# Altium PCB choco_keyboard_left.PcbDoc (part 1 of 2)
Units mm, origin at the board's own origin, x right, y up, seen from the top; angles counter-clockwise.
Board outline 148.18 x 100.99 mm, 2 copper layers (Top Layer, Bottom Layer), stack 1.071 mm thick; 108 components, 93 nets, 495 pads, 582 vias.
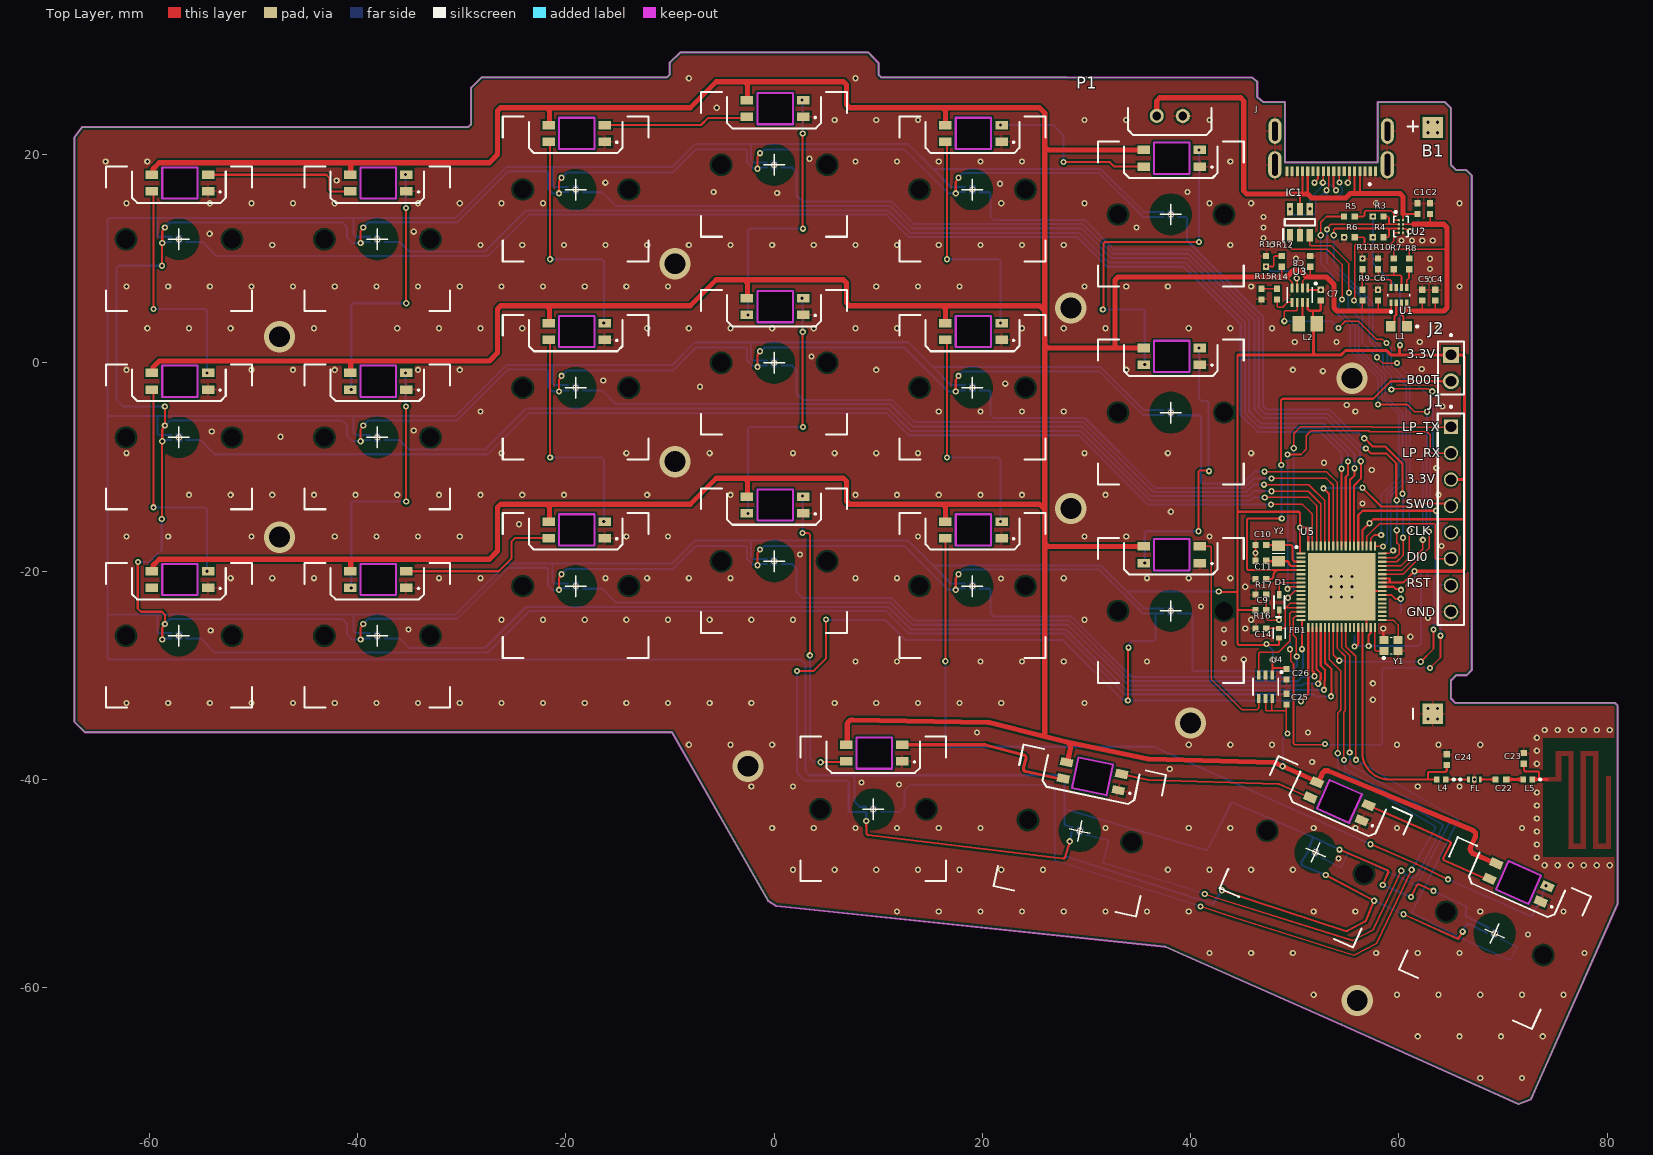
[diagram p0: Top Layer view]
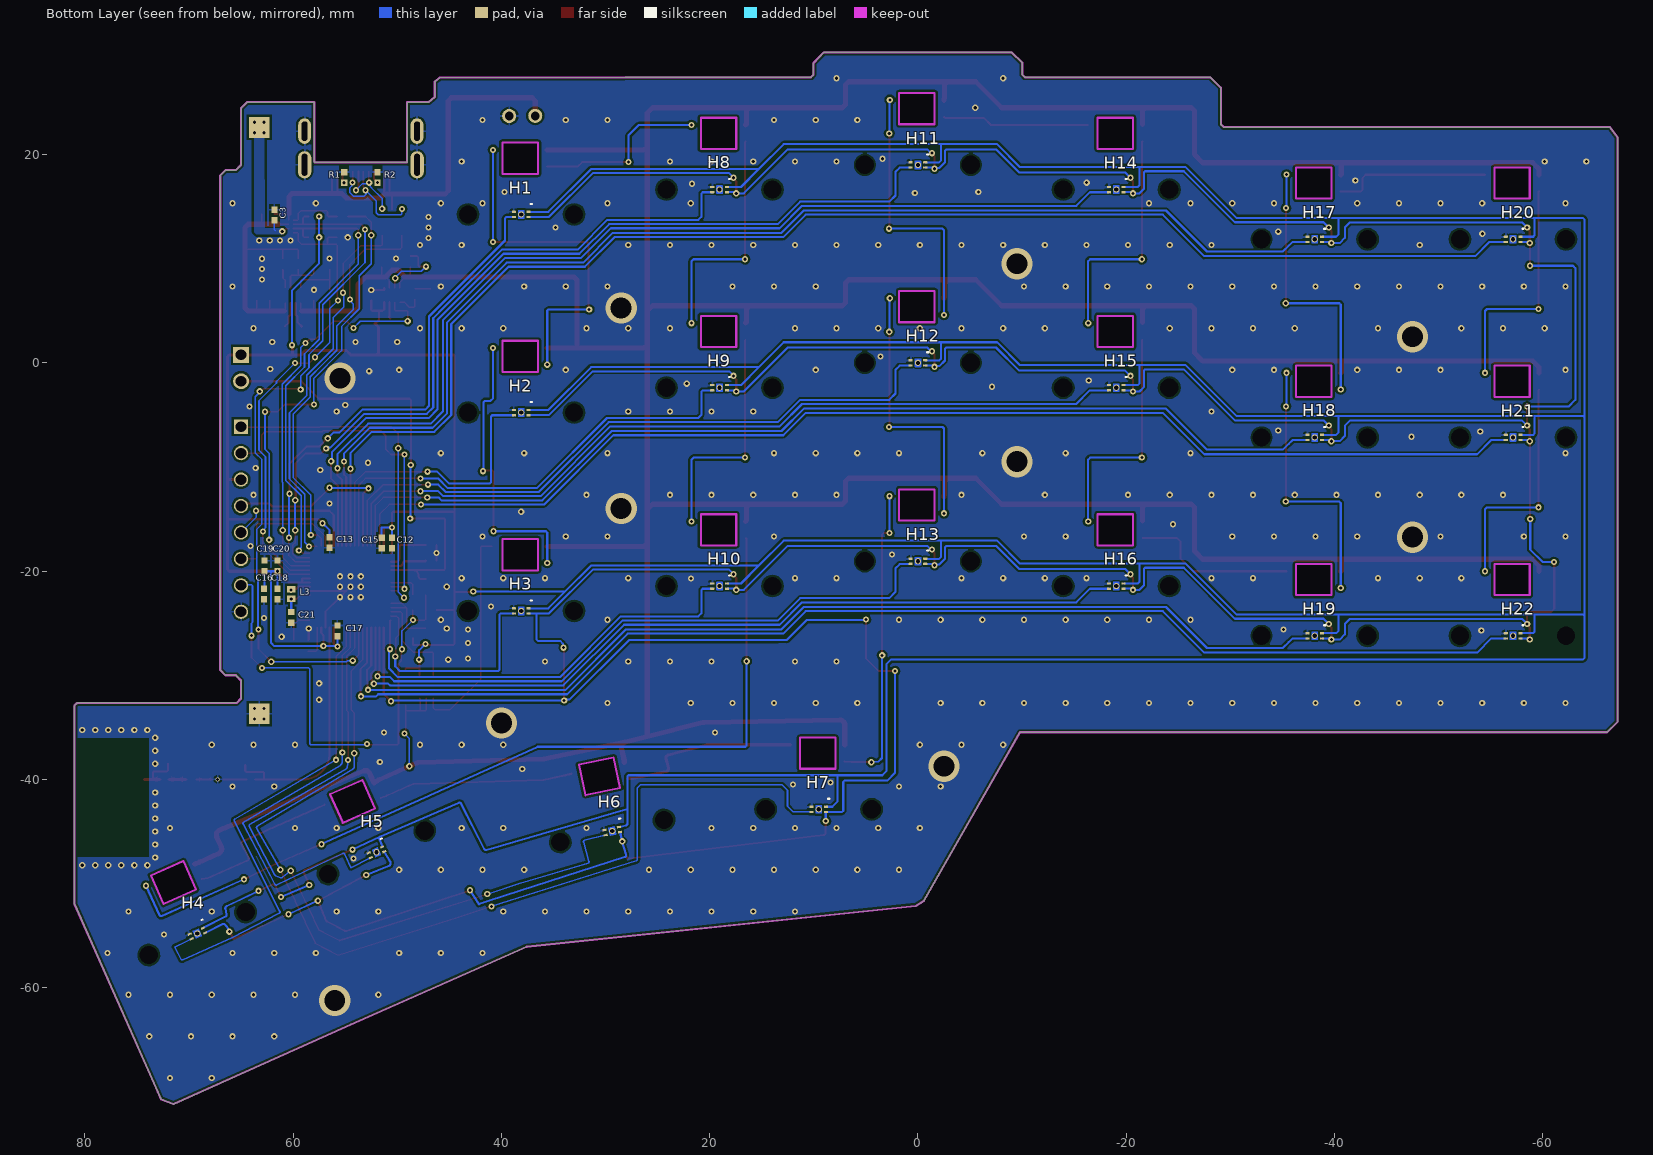
[diagram p1: Bottom Layer view, seen from below]

## Layer stack, top to bottom
Top Solder: solder mask 0.0102, Solder Resist, Dk 3.5
Top Layer: signal copper 0.0356
Dielectric 1: dielectric 1, FR-4, Dk 4.8
Bottom Layer: signal copper 0.0356
Bottom Solder: solder mask 0.0102, Solder Resist, Dk 3.5

## Board outline
-66.167,-35.471 -9.804,-35.471 -0.559,-51.676 0.203,-52.158 37.567,-56.07 54.458,-63.538 71.496,-71.183 72.676,-70.729 73,-70 80.977,-51.99 81,-52 81,-32.91 80.75,-32.66 65.424,-32.66 65,-32.236 65,-30.5 65.5,-30 66.5,-30 67,-29.5 67,18 66.5,18.5 65.5,18.5 65,19 65,24.462 64.43,25.032 57.95,25.032 57.95,19.241 49.05,19.241 49.05,25.032 47,25.032 46.4,25.532 46.4,27 45.9,27.4 28.092,27.42 10.28,27.42 10.033,27.667 10.033,28.791 9.042,29.807 -9.017,29.807 -10.033,28.817 -10.033,27.667 -10.28,27.42 -28.067,27.42 -29.083,26.429 -29.083,22.917 -29.355,22.645 -66.446,22.645 -67.183,21.679 -67.183,-34.48

## Design rules (kind name [scope] priority, off if disabled: settings)
Clearance [All] p1: gap=0.2 ignorepadtopadclearanceinfootprint=TRUE
ComponentClearance [All] p1: gap=0.2 collisioncheckmode=3 verticalgap=0.2 showdistances=FALSE
MinimumSolderMaskSliver [All] p1: minsoldermaskwidth=0.15
PolygonConnect [All] p1: thpad.connectstyle=Relief thpad.reliefconductorwidth=0.2 thpad.reliefentries=4 thpad.polygonreliefangle="90 Angle" thpad.airgapwidth=0.2 smdpad.connectstyle=Relief smdpad.reliefconductorwidth=0.2 smdpad.reliefentries=4 smdpad.polygonreliefangle="90 Angle" smdpad.airgapwidth=0.2 via.connectstyle=Direct via.reliefconductorwidth=0.2 via.reliefentries=4 via.polygonreliefangle="45 Angle" via.airgapwidth=0.2
RoutingVias [All] p1: holewidth=0.711 width=1.27 viastyle="Through Hole" minholewidth=0.3 minwidth=0.6 maxholewidth=0.711 maxwidth=1.27
SilkToSilkClearance [All] p1: silktosilkclearance=0.15
SilkToSolderMaskClearance [IsPad] p1: minsilkscreentomaskgap=0.15 clearancetoexposedcopper=TRUE
SolderMaskExpansion [All] p1: expansion=0.102 istentingtop=FALSE
SupplyNets "Schematic Supply Nets_5" [InNet('5V')] p1: voltage=0.000
SupplyNets "Schematic Supply Nets_4" [InNet('VCC_BAT')] p2: voltage=0.000
SupplyNets "Schematic Supply Nets_3" [InNet('5V_USB')] p3: voltage=0.000
SupplyNets "Schematic Supply Nets_2" [InNet('GND')] p4: voltage=0.000
SupplyNets "Schematic Supply Nets_1" [InNet('3.3V')] p5: voltage=0.000
SupplyNets "Schematic Supply Nets" [InNet('VCC_SYS')] p6: voltage=0.000
Width [All] p1: maxlimit=0.5 minlimit=0.15 preferedwidth=0.2
26 further rules are at their usual default settings.

## Classes and differential pairs
component class mcu: C9 C10 C11 C12 C13 C14 C15 C16 C17 C18 C19 C20 C21 C22 C23 C24 C25 C26 D1 FB1 FL J1 J2 L3 L4 L5 R16 R17 U4 U5 Y1 Y2
component class hall_sensors: H1 H2 H3 H4 H5 H6 H7 H8 H9 H10 H11 H12 H13 H14 H15 H16 H17 H18 H19 H20 H21 H22
component class led: SW1 SW2 SW3 SW4 SW5 SW6 SW7 SW8 SW9 SW10 SW11 SW12 SW13 SW14 SW15 SW16 SW17 SW18 SW19 SW20 SW21 SW22
component class power_supply: * B1 C1 C2 C3 C4 C5 C6 C7 C8 IC1 J L1 L2 P1 R1 R2 R3 R4 R5 R6 R7 R8 R9 R10 R11 R12 R13 R14 R15 U1 U2 U3

## Components (designator, comment, footprint, x,y, rotation, side; value= is the part's Value field where it differs from the comment)
B1 "Battery_holder" "BATTERY CONNECTION" 70.75,-5.3 r0 top locked
C1 "1uF" CAP_0402 61.8,14.812 r270 top
C2 "10uF" CAP_0402 63,14.812 r270 top
C3 "1uF" CAP_0402 61.8,14.2 r270 bottom
C4 "22uF" CAP_0402 63.5,6.5 r90 top
C5 "22uF" CAP_0402 62.25,6.5 r90 top
C6 "22uF" CAP_0402 58,6.5 r90 top
C7 "10uF" CAP_0402 52.5,6.5 r270 top
C8 "4.7uF" CAP_0402 51.5,9.75 r270 top
C9 "100nF" CAP_0402 46.75,-22.25 r180 top
C10 "10pF" CAP_0402 46.75,-17.5 r0 top
C11 "10pF" CAP_0402 46.75,-19 r0 top
C12 "100nF" CAP_0402 50.5,-17.3 r90 bottom
C13 "100nF" CAP_0402 56.5,-17.25 r90 bottom
C14 "100nF" CAP_0402 46.75,-25.5 r0 top
C15 "100nF" CAP_0402 51.5,-17.3 r90 bottom
C16 "100nF" CAP_0402 62.8,-22.2 r90 bottom
C17 "100nF" CAP_0402 55.75,-25.738 r270 bottom
C18 "100pF" CAP_0402 61.5,-22.2 r90 bottom
C19 "4.7uF" CAP_0402 62.75,-19.5 r270 bottom
C20 "100nF" CAP_0402 61.5,-19.5 r270 bottom
C21 "4.7uF" CAP_0402 60.18,-24.45 r90 bottom
C22 "10nF" CAP_0402 69.8,-40 r0 top
C23 "1.2pF" CAP_0402 72,-37.988 r90 top
C24 "0.8pF" CAP_0402 64.6,-38.1 r270 top
C25 "100nF" CAP_0402 49.2,-32.3 r270 top
C26 "100nF" CAP_0402 49.2,-29.9 r270 top
D1 "0.3A" SODFL1608X70N 48.5,-23 r90 top
FB1 "120Ohm" BEADC1005X50N 48.5,-25.955 r90 top
FL "LFB182G45CGFD436" FIL_LFB182G45CGFD436 67.245,-40 r0 top
H1 "TMAG5253" IC_TMAG5253BA3IQDMRR 38.1,14.249 r270 bottom
H2 "TMAG5253" IC_TMAG5253BA3IQDMRR 38.1,-4.775 r270 bottom
H3 "TMAG5253" IC_TMAG5253BA3IQDMRR 38.1,-23.825 r270 bottom
H4 "TMAG5253" IC_TMAG5253BA3IQDMRR 69.2,-54.8 r246 bottom
H5 "TMAG5253" IC_TMAG5253BA3IQDMRR 52,-47 r246 bottom
H6 "TMAG5253" IC_TMAG5253BA3IQDMRR 29.354,-44.96 r258 bottom
H7 "TMAG5253" IC_TMAG5253BA3IQDMRR 9.525,-42.875 r270 bottom
H8 "TMAG5253" IC_TMAG5253BA3IQDMRR 19.05,16.637 r270 bottom
H9 "TMAG5253" IC_TMAG5253BA3IQDMRR 19.05,-2.388 r270 bottom
H10 "TMAG5253" IC_TMAG5253BA3IQDMRR 19.05,-21.438 r270 bottom
H11 "TMAG5253" IC_TMAG5253BA3IQDMRR 0,19 r270 bottom
H12 "TMAG5253" IC_TMAG5253BA3IQDMRR 0,0 r270 bottom
H13 "TMAG5253" IC_TMAG5253BA3IQDMRR 0,-19.05 r270 bottom
H14 "TMAG5253" IC_TMAG5253BA3IQDMRR -19.05,16.637 r270 bottom
H15 "TMAG5253" IC_TMAG5253BA3IQDMRR -19.05,-2.388 r270 bottom
H16 "TMAG5253" IC_TMAG5253BA3IQDMRR -19.05,-21.438 r270 bottom
H17 "TMAG5253" IC_TMAG5253BA3IQDMRR -38.1,11.862 r270 bottom
H18 "TMAG5253" IC_TMAG5253BA3IQDMRR -38.1,-7.163 r270 bottom
H19 "TMAG5253" IC_TMAG5253BA3IQDMRR -38.1,-26.213 r270 bottom
H20 "TMAG5253" IC_TMAG5253BA3IQDMRR -57.15,11.862 r270 bottom
H21 "TMAG5253" IC_TMAG5253BA3IQDMRR -57.15,-7.163 r270 bottom
H22 "TMAG5253" IC_TMAG5253BA3IQDMRR -57.15,-26.213 r270 bottom
IC1 "USBLC6-2SC6" SOT95P280X145-6N 50.5,13.5 r90 top
J "CX90M-16P" HRS_CX90M-16P 53.5,22.25 r180 top locked
J1 "TSW-108-X-X-S" SAMTEC_TSW-108-X-X-S 65,-15.02 r90 top
J2 "HTSW-102-07-TM-S" SAMTEC_HTSW-102-07-TM-S 65,-0.5 r90 top
L1 "1uH" INDC1608X100N 60,3.5 r180 top
L2 "2.2uH" INDC2012X100N 51.25,3.75 r0 top
L3 "10uH" INDC1106X70N 60.18,-22.2 r90 bottom
L4 "2.7nH" INDC1005X55N 64.068,-40 r0 top
L5 "3.6nH" INDC1005X55N 72.368,-40 r0 top
P1 "Pogo_pinsX2" POGO_2_PINS_AMGLED 38,23.361 r0 top locked
R1 "5.1kR" RES_0402 55.1,17.8 r90 bottom
R2 "5.1kR" RES_0402 51.9,17.8 r90 bottom
R3 "5.1kR" RES_0402 58,14.05 r180 top
R4 "5.1kR" RES_0402 58,12.05 r180 top
R5 "10kR" RES_0402 55.25,14.05 r180 top
R6 "10kR" RES_0402 55.25,12.05 r180 top
R7 "100kR" RES_0402 59.5,9.5 r270 top
R8 "100kR" RES_0402 61,9.5 r270 top
R9 "806kR" RES_0402 56.5,6.5 r90 top
R10 "100kR" RES_0402 58,9.5 r270 top
R11 "91kR" RES_0402 56.5,9.5 r270 top
R12 "100kR" RES_0402 48.75,9.75 r90 top
R13 "100kR" RES_0402 47.25,9.75 r270 top
R14 "240kR" RES_0402 48.3,6.6 r90 top
R15 "27kR" RES_0402 46.8,6.6 r90 top
R16 "1kR" RES_0402 46.75,-23.75 r180 top
R17 "1kR" RES_0402 46.75,-20.75 r0 top
SW1 "Switch" SWITCH 38.1,-23.825 r180 top locked
SW2 "Switch" SWITCH 38.1,-4.775 r180 top locked
SW3 "Switch" SWITCH 38.1,14.249 r180 top locked
SW4 "Switch" SWITCH 19.05,16.637 r180 top locked
SW5 "Switch" SWITCH 19.05,-2.388 r180 top locked
SW6 "Switch" SWITCH 19.05,-21.438 r180 top locked
SW7 "Switch" SWITCH 69.2,-54.8 r156 top locked
SW8 "Switch" SWITCH 52,-47 r156 top locked
SW9 "Switch" SWITCH 29.354,-44.96 r168 top locked
SW10 "Switch" SWITCH 9.525,-42.875 r180 top locked
SW11 "Switch" SWITCH 0,-19.05 r180 top locked
SW12 "Switch" SWITCH 0,0 r180 top locked
SW13 "Switch" SWITCH 0,19.012 r180 top locked
SW14 "Switch" SWITCH -19.05,16.637 r180 top locked
SW15 "Switch" SWITCH -19.05,-2.388 r180 top locked
SW16 "Switch" SWITCH -19.05,-21.438 r180 top locked
SW17 "Switch" SWITCH -38.1,-26.213 r180 top locked
SW18 "Switch" SWITCH -38.1,-7.163 r180 top locked
SW19 "Switch" SWITCH -38.1,11.862 r180 top locked
SW20 "Switch" SWITCH -57.15,11.862 r180 top locked
SW21 "Switch" SWITCH -57.15,-7.163 r180 top locked
SW22 "Switch" SWITCH -57.15,-26.213 r180 top locked
U1 "TPS631000DRLR" SOT50P160X60-8N 60,6.5 r90 top
U2 "BQ21080" IC_BQ25180YBGR 60.2,13.1 r0 top
U3 "TPS62840DLCR" SON50P200X150X100-8N 50.5,6.5 r270 top
U4 "TXU0101DCKR" TXU0101DCKR 47.2,-31.1 r270 top
U5 "STM32WB55RGV6" QFN40P800X800X100-69L-D 54.5,-21.5 r0 top
Y1 "32MHZ" NX2016SA32MEXS00ACS06465 59.25,-27.15 r0 top
Y2 "32KHz" NX2012SA32768KSTDMUB1 48.45,-18.3 r90 top

## Footprints (in the part's own frame and the unit in brackets; to place one, negate y for a bottom-side part, rotate by r counter-clockwise, add the part's x,y. Pads: shape width x height; smd on the part's side, far side on the other; paste and mask are expansions set on the pad)
"BATTERY CONNECTION" [mm]
  rect 2x2 smd far side: 1(-7.5,27.9) 2(-7.5,-28.4)
  rect 2x2 smd: 1(-7.5,27.9) 2(-7.5,-28.4)
  silkscreen extent -9.9,-28.9 -8.9,28.5, body extent -10.48,-29.4 10.73,28.9, height 9.11
BEADC1005X50N [mm]
  rect 0.49x0.6 smd: 1(-0.455,0) 2(0.455,0)
  silkscreen extent -0.53,-0.58 0.53,0.58, body extent -0.5,-0.25 0.5,0.25, height 0.55
CAP_0402 [mm]
  rect 0.6x0.6 smd: 1(-0.512,0) 2(0.512,0)
  body extent -0.5,-0.25 0.5,0.25, height 0.55
FIL_LFB182G45CGFD436 [mm]
  rect 0.25x0.55 smd mask+0: 1(-0.555,0) 3(0.555,0)
  rect 0.4x0.6 smd mask+0: 2(0,0)
  round 0.4 hole 0.3 mask+0: 2_1(0,0)
  silkscreen extent -1.45,-0.1 -1.25,0.1
HRS_CX90M-16P [mm]
  rect 0.3x0.9 smd: A1(-3.75,3.85) A4(-2.75,3.85) A5(-1.75,3.85) A6(-0.75,3.85) A7(0.75,3.85) A8(1.75,3.85) A9(2.75,3.85) A12(3.75,3.85) B1(3.25,3.85) B4(2.25,3.85) B5(1.25,3.85) B6(0.25,3.85) B7(-0.25,3.85) B8(-1.25,3.85) B9(-2.25,3.85) B12(-3.25,3.85) MID1(-4.25,3.85) MID2(4.25,3.85)
  oval 1.3x2.6 hole 0.55 slot 2.1 at 90 deg: S1(-5.4,3.23) S2(5.4,3.23)
  oval 1.225x2.45 hole 0.55 slot 1.85 at 90 deg: S3(-5.4,0) S4(5.4,0)
  silkscreen extent -3.8,5 -3.6,5.2, body extent -5.5,-2.51 5.5,4.04, height 1.61
IC_BQ25180YBGR [mm]
  round 0.23 smd paste-1 mask+0.05: A1(-0.2,0.6) A2(0.2,0.6) B1(-0.2,0.2) B2(0.2,0.2) C1(-0.2,-0.2) C2(0.2,-0.2) D1(-0.2,-0.6) D2(0.2,-0.6)
  silkscreen extent -0.7,-0.99 0.7,1.5, body extent -0.52,-0.79 0.52,0.79, height 0.5
IC_TMAG5253BA3IQDMRR [mm]
  rrect45% 0.22x0.4 smd mask+0: 1(-0.25,0.7) 2(-0.25,-0.7) 3(0.25,-0.7) 4(0.25,0.7)
  round 0.6 hole 0.4 mask+0: 5(0,0)
  Top Layer region: 0.358,0.299 0.36,0.299 0.363,0.298 0.365,0.298 0.368,0.297 0.37,0.296 0.373,0.295 0.375,0.293 0.377,0.292 0.379,0.29 0.381,0.289 0.383,0.287 0.385,0.285 0.387,0.283 0.389,0.281 0.39,0.279 0.392,0.277 0.393,0.275 0.395,0.273 0.396,0.27 0.397,0.268 0.398,0.265 0.398,0.263 0.399,0.26 0.399,0.258 0.4,0.255 0.4,0.253 0.4,0.25 0.4,-0.25 0.4,-0.253 0.4,-0.255 0.399,-0.258 0.399,-0.26 0.398,-0.263 0.398,-0.265 0.397,-0.268 0.396,-0.27 0.395,-0.273 0.393,-0.275 0.392,-0.277 0.39,-0.279 0.389,-0.281 0.387,-0.283 0.385,-0.285 0.383,-0.287 0.381,-0.289 0.379,-0.29 0.377,-0.292 0.375,-0.293 0.373,-0.295 0.37,-0.296 0.368,-0.297 0.365,-0.298 0.363,-0.298 0.36,-0.299 0.358,-0.299 0.355,-0.3 -0.355,-0.3 -0.358,-0.299 -0.36,-0.299 -0.363,-0.298 -0.365,-0.298 -0.368,-0.297 -0.37,-0.296 -0.373,-0.295 -0.375,-0.293 -0.377,-0.292 -0.379,-0.29 -0.381,-0.289 -0.383,-0.287 -0.385,-0.285 -0.387,-0.283 -0.389,-0.281 -0.39,-0.279 -0.392,-0.277 -0.393,-0.275 -0.395,-0.273 -0.396,-0.27 -0.397,-0.268 -0.398,-0.265 -0.398,-0.263 -0.399,-0.26 -0.399,-0.258 -0.4,-0.255 -0.4,-0.253 -0.4,-0.25 -0.4,0.25 -0.4,0.253 -0.4,0.255 -0.399,0.258 -0.399,0.26 -0.398,0.263 -0.398,0.265 -0.397,0.268 -0.396,0.27 -0.395,0.273 -0.393,0.275 -0.392,0.277 -0.39,0.279 -0.389,0.281 -0.387,0.283 -0.385,0.285 -0.383,0.287 -0.381,0.289 -0.379,0.29 -0.377,0.292 -0.375,0.293 -0.373,0.295 -0.37,0.296 -0.368,0.297 -0.365,0.298 -0.363,0.298 -0.36,0.299 -0.358,0.299 -0.355,0.3 0.355,0.3
  silkscreen extent -1.02,0.89 -1.02,1.02, body extent -0.55,-0.7 0.55,0.7, height 0.4
INDC1005X55N [mm]
  rect 0.54x0.6 smd: 1(-0.432,0) 2(0.432,0)
  silkscreen extent 1.1,-0.1 1.3,0.1
INDC1106X70N [mm]
  rect 0.61x0.78 smd: 1(-0.46,0) 2(0.46,0)
  body extent -0.55,-0.33 0.55,0.33, height 0.7
INDC1608X100N [mm]
  rect 0.94x1.02 smd: 1(-0.79,0) 2(0.79,0)
  silkscreen extent -1.86,-0.1 -1.66,0.1
INDC2012X100N [mm]
  rect 1.2x1.47 smd: 1(-0.86,0) 2(0.86,0)
  body extent -1,-0.63 1,0.63, height 0.55
NX2012SA32768KSTDMUB1 [mm]
  rect 1x1.25 smd: 1(-0.75,0) 2(0.75,0)
  silkscreen extent 0,-0.6 0,0.6, body extent -1.02,-0.6 1.02,0.6, height 0.55
NX2016SA32MEXS00ACS06465 [mm]
  rect 0.85x0.75 smd: 1(-0.675,-0.525) 2(-0.675,0.525) 2(0.675,-0.525) 3(0.675,0.525)
  silkscreen extent -0.8,-1.3 0.1,0.8, body extent -1,-0.73 1,0.87, height 0.46
POGO_2_PINS_AMGLED [mm]
  round 1.35 hole 0.85: 1(-1.25,0.356) 2(1.25,0.339)
  silkscreen extent -4,-1.5 4,1.12, body extent -7.25,-0.01 7.25,6, height 4.08
QFN40P800X800X100-69L-D [mm]
  rect 0.85x0.2 smd: 1(-3.9,3.2) 2(-3.9,2.8) 3(-3.9,2.4) 4(-3.9,2) 5(-3.9,1.6) 6(-3.9,1.2) 7(-3.9,0.8) 8(-3.9,0.4) 9(-3.9,0) 10(-3.9,-0.4) 11(-3.9,-0.8) 12(-3.9,-1.2) 13(-3.9,-1.6) 14(-3.9,-2) 15(-3.9,-2.4) 16(-3.9,-2.8) 17(-3.9,-3.2) 35(3.9,-3.2) 36(3.9,-2.8) 37(3.9,-2.4) 38(3.9,-2) 39(3.9,-1.6) 40(3.9,-1.2) 41(3.9,-0.8) 42(3.9,-0.4) 43(3.9,0) 44(3.9,0.4) 45(3.9,0.8) 46(3.9,1.2) 47(3.9,1.6) 48(3.9,2) 49(3.9,2.4) 50(3.9,2.8) 51(3.9,3.2)
  rect 0.2x0.85 smd: 18(-3.2,-3.9) 19(-2.8,-3.9) 20(-2.4,-3.9) 21(-2,-3.9) 22(-1.6,-3.9) 23(-1.2,-3.9) 24(-0.8,-3.9) 25(-0.4,-3.9) 26(0,-3.9) 27(0.4,-3.9) 28(0.8,-3.9) 29(1.2,-3.9) 30(1.6,-3.9) 31(2,-3.9) 32(2.4,-3.9) 33(2.8,-3.9) 34(3.2,-3.9) 52(3.2,3.9) 53(2.8,3.9) 54(2.4,3.9) 55(2,3.9) 56(1.6,3.9) 57(1.2,3.9) 58(0.8,3.9) 59(0.4,3.9) 60(0,3.9) 61(-0.4,3.9) 62(-0.8,3.9) 63(-1.2,3.9) 64(-1.6,3.9) 65(-2,3.9) 66(-2.4,3.9) 67(-2.8,3.9) 68(-3.2,3.9)
  rect 6.5x6.5 smd: 69(0,0)
  silkscreen extent -4.42,3.7 -4.23,3.9
RES_0402 [mm]
  rect 0.6x0.6 smd: 1(-0.512,0) 2(0.512,0)
  body extent -0.5,-0.25 0.5,0.25, height 0.35
SAMTEC_HTSW-102-07-TM-S [mm]
  rect 1.53x1.53 hole 1.02: 01(1.27,0)
  round 1.53 hole 1.02: 02(-1.27,0)
  silkscreen extent -2.54,-1.24 3.26,1.24
SAMTEC_TSW-108-X-X-S [mm]
  rect 1.37x1.37 / inner round 1.37 / far side rect 1.37x1.37 hole 1.02: 01(8.89,0)
  round 1.37 hole 1.02: 02(6.35,0) 03(3.81,0) 04(1.27,0) 05(-1.27,0) 06(-3.81,0) 07(-6.35,0) 08(-8.89,0)
  silkscreen extent -10.16,-1.27 10.9,1.27
SODFL1608X70N [mm]
  rect 0.7x0.42 smd: 1(-0.725,0) 2(0.725,0)
  silkscreen extent -1.4,-0.5 0.6,0.5, body extent -0.8,-0.4 0.8,0.4, height 0.7
SON50P200X150X100-8N [mm]
  rrect25% 0.86x0.27 smd: 1(-0.685,0.75) 2(-0.685,0.25) 3(-0.685,-0.25) 4(-0.685,-0.75) 5(0.685,-0.75) 6(0.685,-0.25) 7(0.685,0.25) 8(0.685,0.75)
  silkscreen extent -1.21,-1.2 0.75,1.61, body extent -0.75,-1 0.75,1, height 1
SOT50P160X60-8N [mm]
  rect 0.66x0.32 smd mask+0.05: 1(-0.735,0.75) 2(-0.735,0.25) 3(-0.735,-0.25) 4(-0.735,-0.75) 5(0.735,-0.75) 6(0.735,-0.25) 7(0.735,0.25) 8(0.735,0.75)
  silkscreen extent -1.7,-1.05 0.09,1.05, body extent -0.8,-1.05 0.8,1.05, height 0.6
SOT95P280X145-6N [mm]
  rect 1.2x0.6 smd: 1(-1.25,0.95) 2(-1.25,0) 3(-1.25,-0.95) 4(1.25,-0.95) 5(1.25,0) 6(1.25,0.95)
  silkscreen extent -1.85,-1.46 0.3,1.6, body extent -1.4,-1.46 1.4,1.46, height 1.45
SWITCH [mm]
  rect 1.2x0.82 smd: 1(-2.8,-4.6) 2(-2.8,-6.2) 3(2.6,-6.2) 4(2.6,-4.6)
  round 1.524 hole 1.75 unplated: 5(-5.1,0) 5(5.08,0)
  Top Layer pour cut-out: 0,2 0.765,1.848 1.414,1.414 1.848,0.765 2,0 2,0 1.848,-0.765 1.414,-1.414 0.765,-1.848 0,-2 0,-2 -0.765,-1.848 -1.414,-1.414 -1.848,-0.765 -2,0 -2,0 -1.848,0.765 -1.414,1.414 -0.765,1.848 0,2
  Keep-Out Layer board cut-out: 1.6,-3.9 1.6,-6.9 -1.8,-6.9 -1.8,-3.9
  Keep-Out Layer lines w0.2: 1.6,-3.9 1.6,-6.9 -1.8,-6.9 -1.8,-3.9 1.6,-3.9
  silkscreen extent -7,-7 7,6.9, body extent -7.55,-8.05 7.55,8.05, height 15.27
TXU0101DCKR [mil]
  rect 33.5x14 smd paste+0 mask+0: 1(-44.25,25.59) 2(-44.25,0) 3(-44.25,-25.59) 4(44.25,-25.59) 5(44.25,0) 6(44.25,25.59)
  silkscreen extent -59,-48 33,64, body extent -47,-43 47,43, height 43

## Part data
B1: "li-ion 14500 battery holder", BOM_Group="Power Connectors"
C1 C3: library part Cap_1uF_0402, Package="0402 Murata", BOM_Group="Battery managment", Check_prices=https://www.snapeda.com/parts/GRM022R60J222KE19L/Murata/view-part/?ref=eda, MF=Murata, MP=GRM022R60J222KE19L, SnapEDA_Link=https://www.snapeda.com/parts/GRM022R60J222KE19L/Murata/view-part/?ref=snap
C2 C7: library part Cap_10uF_0402, Package="0402 Murata", MF=Murata, MP=GRM022R60J222KE19L, SnapEDA_Link=https://www.snapeda.com/parts/GRM022R60J222KE19L/Murata/view-part/?ref=snap
  C2: BOM_Group="Battery managment", Check_prices=https://www.snapeda.com/parts/GRM022R60J222KE19L/Murata/view-part/?ref=eda
  C7: BOM_Group="Buck 3.3V Converter"
C4 C5 C6: library part Cap_22uF_0402, Package="0402 Murata", BOM_Group="Buck/Boost Converter to 5V", Check_prices=https://www.snapeda.com/parts/GRM022R60J222KE19L/Murata/view-part/?ref=eda, MF=Murata, MP=GRM022R60J222KE19L, SnapEDA_Link=https://www.snapeda.com/parts/GRM022R60J222KE19L/Murata/view-part/?ref=snap
C8 C19 C21: library part Cap_4.7uF_0402, Package="0402 Murata", MF=Murata, MP=GRM022R60J222KE19L, SnapEDA_Link=https://www.snapeda.com/parts/GRM022R60J222KE19L/Murata/view-part/?ref=snap
  C8: BOM_Group="Buck 3.3V Converter"
  C19 C21: BOM_Group="MCU & Payload", Check_prices=https://www.snapeda.com/parts/GRM022R60J222KE19L/Murata/view-part/?ref=eda
C9 C12 C13 C14 C15 C16 C17 C20 C25 C26: library part Cap_100nF_0402, Package="0402 Murata", BOM_Group="MCU & Payload", Check_prices=https://www.snapeda.com/parts/GRM022R60J222KE19L/Murata/view-part/?ref=eda, MF=Murata, MP=GRM022R60J222KE19L, SnapEDA_Link=https://www.snapeda.com/parts/GRM022R60J222KE19L/Murata/view-part/?ref=snap
C10 C11: library part Cap_10pF_0402, Package="0402 Murata", BOM_Group="MCU & Payload", Check_prices=https://www.snapeda.com/parts/GRM022R60J222KE19L/Murata/view-part/?ref=eda, MF=Murata, MP=GRM022R60J222KE19L, SnapEDA_Link=https://www.snapeda.com/parts/GRM022R60J222KE19L/Murata/view-part/?ref=snap
C18: library part Cap_100pF_0402, Package="0402 Murata", BOM_Group="MCU & Payload", Check_prices=https://www.snapeda.com/parts/GRM022R60J222KE19L/Murata/view-part/?ref=eda, MF=Murata, MP=GRM022R60J222KE19L, SnapEDA_Link=https://www.snapeda.com/parts/GRM022R60J222KE19L/Murata/view-part/?ref=snap
C22: library part Cap_10nF_0402, Package="0402 Murata", BOM_Group=Antena, Check_prices=https://www.snapeda.com/parts/GRM022R60J222KE19L/Murata/view-part/?ref=eda, MF=Murata, MP=GRM022R60J222KE19L, SnapEDA_Link=https://www.snapeda.com/parts/GRM022R60J222KE19L/Murata/view-part/?ref=snap
C23: library part Cap_1.2pF_0402, Package="0402 Murata", BOM_Group=Antena, Check_prices=https://www.snapeda.com/parts/GRM022R60J222KE19L/Murata/view-part/?ref=eda, MF=Murata, MP=GRM022R60J222KE19L, SnapEDA_Link=https://www.snapeda.com/parts/GRM022R60J222KE19L/Murata/view-part/?ref=snap
C24: library part Cap_0.8pF_0402, Package="0402 Murata", BOM_Group=Antena, Check_prices=https://www.snapeda.com/parts/GRM022R60J222KE19L/Murata/view-part/?ref=eda, MF=Murata, MP=GRM022R60J222KE19L, SnapEDA_Link=https://www.snapeda.com/parts/GRM022R60J222KE19L/Murata/view-part/?ref=snap
D1: library part BAT54KFILM, "BAT54KFILM, Schottky Diode,  0.3A max, 40V 5ns, 2-Pin, SOD-523", Manufacturer_Name=STMicroelectronics, Mouser Part Number=511-BAT54KFILM, BOM_Group="MCU & Payload", Datasheet Link=http://www.st.com/web/en/resource/technical/document/datasheet/CD00001322.pdf, Geometry.Height=0.7mm, Manufacturer_Part_Number=BAT54KFILM, Mouser Price/Stock=https://www.mouser.co.uk/ProductDetail/STMicroelectronics/BAT54KFILM?qs=jZi1jxfVU95Y9ce6l3OT%252BA%3D%3D
FB1: library part MMZ1005S121CTD25, "Ferrite Bead", Package=None, BOM_Group="MCU & Payload", Check_prices=https://www.snapeda.com/parts/FCM1608KF-601T05/Tai+Tech/view-part/?ref=eda, MF="Tai Tech", MP=FCM1608KF-601T05, SnapEDA_Link=https://www.snapeda.com/parts/FCM1608KF-601T05/Tai+Tech/view-part/?ref=snap
FL: "RF Filter Band Pass 2450MHz 2400MHz to 2500MHz 2.8dB 50Ohm SMD 6Pin 0603", Package="0603 Murata Electronics", Availability=Unavailable, BOM_Group=Antena, MF=Murata, MP=LFB182G45CGFD436, Price=None, SnapEDA_Link=https://www.snapeda.com/parts/LFB182G45CGFD436/Murata/view-part/2721840/?ref=snap
H1 H2 H3 H4 H5 H6 H7 H8 H9 H10 H11 H12 H13 H14 H15 H16 H17 H18 H19 H20 H21 H22: "Low-power linear Hall-effect sensor with enable pin in ultrasmall X2SON package", Package="XFDFN-4 Texas Instruments", BOM_Group="HALL Switches", Check_prices=https://www.snapeda.com/parts/TMAG5253BA3IQDMRR/Texas+Instruments/view-part/?ref=eda, MF="Texas Instruments", MP=TMAG5253BA3IQDMRR, SnapEDA_Link=https://www.snapeda.com/parts/TMAG5253BA3IQDMRR/Texas+Instruments/view-part/?ref=snap
IC1: "Integrated Circuit", Manufacturer_Name=STMicroelectronics, Mouser Part Number=511-USBLC6-2SC6, Arrow Part Number=USBLC6-2SC6, Arrow Price/Stock=https://www.arrow.com/en/products/usblc6-2sc6/stmicroelectronics?utm_currency=USD&region=europe, BOM_Group=Type-c, Datasheet Link=http://www.st.com/st-web-ui/static/active/en/resource/technical/document/datasheet/CD00050750.pdf, Height=1.45mm, Manufacturer_Part_Number=USBLC6-2SC6, Mouser Price/Stock=https://www.mouser.co.uk/ProductDetail/STMicroelectronics/USBLC6-2SC6?qs=po45yt2pPpu%2FhNIlwQdTlg%3D%3D
J: "USB-C _USB TYPE-C_ USB 3.1 _USB 3.1 Gen 2, Superspeed+_ Receptacle Connector 24 _16+8 Dummy_ Position Board Edge, Cutout; Surface Mount; Through Hole, Right Angle", Package=None, Availability=Unavailable, BOM_Group=Type-c, MF="Hirose Electric Co Ltd", MP=CX90M-16P, Price=None, SnapEDA_Link=https://www.snapeda.com/parts/CX90M-16P/Hirose%20Electric%20Co%20Ltd/view-part/3218310/?ref=snap
J1: "Connector Header Through Hole 8 position 0.100 (2.54mm)", Package=None, BOM_Group="MCU & Payload", Check_prices=https://www.snapeda.com/parts/TSW-108-23-L-S/Samtec/view-part/?ref=eda, MF=Samtec, MP=TSW-108-23-L-S, SnapEDA_Link=https://www.snapeda.com/parts/TSW-108-23-L-S/Samtec/view-part/?ref=snap
J2: "HEADER, 2 CONTACTS, 1 ROW, THROUGH HOLE, 2.54 MM; Connector Systems:Board-to-Board; Pitch Spacing:2.54mm; No. of Rows:1Rows; No. of Contacts:2Contacts; Contact Termination Type:Through Hole; Product Range:HTSW Series; Gender:Header RoHS Compliant: Yes", Package=None, Availability="In Stock", BOM_Group="MCU & Payload", Check_prices=https://www.snapeda.com/parts/HTSW10207TMS/Samtec/view-part/?ref=eda, MF=Samtec, MP=HTSW10207TMS, Price=None, Purchase-URL=https://pricing.snapeda.com/search/part/HTSW10207TMS/?ref=eda, SnapEDA_Link=https://www.snapeda.com/parts/HTSW10207TMS/Samtec/view-part/?ref=snap
L1: library part DFE18SAN1R0MG0L, "DFE18SAN1R0MG0L", Package=None, Availability=Unavailable, BOM_Group="Buck/Boost Converter to 5V", MP=DFE18SAN1R0MG0L, Price=None
L2: library part MLP2012S2R2MT0S1, "2.2 ÂµH Shielded Multilayer Inductor 800 mA 299mOhm Max 0805 (2012 Metric)", Package="2012 TDK", BOM_Group="Buck 3.3V Converter", MF=TDK, MP=MLP2012S2R2MT0S1, SnapEDA_Link=https://www.snapeda.com/parts/MLP2012S2R2MT0S1/TDK/view-part/?ref=snap
L3: library part LQW15DN100M00D, "Inductor with Inductance: 10uH Tol. +/-20%, Package: 0402 (1005)", Package="1106 Murata", Availability=Good, BOM_Group="MCU & Payload", Check_prices=https://www.snapeda.com/parts/LQW15DN100M00D/Murata%20Electronics%20North%20America/view-part/3223358/?ref=eda, MF="Murata Electronics North America", MP=LQW15DN100M00D, Price=None, Purchase-URL=https://pricing.snapeda.com/search/part/LQW15DN100M00D/?ref=eda, SnapEDA_Link=https://www.snapeda.com/parts/LQW15DN100M00D/Murata%20Electronics%20North%20America/view-part/3223358/?ref=snap
L4 L5: library part LQG15HS3N6S02D, "Inductor with Inductance: 3.6nH Tol. +/-0.3nH, Package: 0402 _1005_", Package="1005 Murata", Availability=Unavailable, BOM_Group=Antena, MF=Murata, MP=LQG15HS3N6S02D, Price=None, SnapEDA_Link=https://www.snapeda.com/parts/LQG15HS3N6S02D/Murata%20Electronics%20North%20America/view-part/1501786/?ref=snap
R1 R2 R3 R4: library part Res_5.1kR_0402, Package=0402, Resistans=1kR
  R1 R2: BOM_Group=Type-c
  R3 R4: BOM_Group="Battery managment"
R5 R6: library part Res_10kR_0402, Package=0402, Resistans=1kR, BOM_Group="Battery managment"
R7 R8 R10 R12 R13: library part Res_100kR_0402_1, Package=0402, Resistans=1kR
  R7 R8 R10: BOM_Group="Buck/Boost Converter to 5V"
  R12 R13: BOM_Group="Buck 3.3V Converter"
R9: library part Res_806kR_0402_1, Package=0402, Resistans=1kR, BOM_Group="Buck/Boost Converter to 5V"
R11: library part Res_91kR_0402, Package=0402, Resistans=1kR, BOM_Group="Buck/Boost Converter to 5V"
R14: library part Res_240kR_0402, Package=0402, Resistans=1kR, BOM_Group="Buck 3.3V Converter"
R15: library part Res_27kR_0402, Package=0402, Resistans=1kR, BOM_Group="Buck 3.3V Converter"
R16 R17: library part Res_1kR_0402, Package=0402, BOM_Group="MCU & Payload", Resistans=1kR
SW1 SW2 SW3 SW4 SW5 SW6 SW7 SW8 SW9 SW10 SW11 SW12 SW13 SW14 SW15 SW16 SW17 SW18 SW19 SW20 SW21 SW22: "Gateron Magnetic Jade Switch", BOM_Group=ARGB
U1: "1.5-A output current, high-power-density buck-boost converter", Package="SOT-583 Texas Instruments", BOM_Group="Buck/Boost Converter to 5V", Check_prices=https://www.snapeda.com/parts/TPS631000DRLR/Texas+Instruments/view-part/?ref=eda, MF="Texas Instruments", MP=TPS631000DRLR, SnapEDA_Link=https://www.snapeda.com/parts/TPS631000DRLR/Texas+Instruments/view-part/?ref=snap
U2: "Battery Managment IC", BOM_Group="Battery managment"
U3: "None <a href=\"https://snapeda.com/parts/TPS62840DLCR/Texas%20Instruments/view-part/?ref=eda\">Check prices</a>", Package=None, Availability=Unavailable, BOM_Group="Buck 3.3V Converter", MP=TPS62840DLCR, Price=None
Y1: library part NX2016SA-32MHZ, "Crystal or Oscillator", Manufacturer_Name=NDK, Manufacturer_Part_Number=NX2016SA-26MHZ-EXS00A-CS06025, Mouser Part Number=344-NX2016SA26S06025, BOM_Group="MCU & Payload", Datasheet Link=https://datasheet.datasheetarchive.com/originals/distributors/Datasheets_SAMA/8da4d094c01ffba0c34ffc4b8a2d69e9.pdf, Mouser Price/Stock=https://www.mouser.co.uk/ProductDetail/NDK/NX2016SA-26MHZ-EXS00A-CS06025?qs=w%2Fv1CP2dgqrdkfe8%2Fku9TQ%3D%3D
Y2: library part NX2012SA-32.768K, "Crystal or Oscillator", Manufacturer_Name=NDK, Manufacturer_Part_Number=NX2012SA-32.768K-STD-MUB-1, Mouser Part Number=344-NX2012SA32768K1, BOM_Group="MCU & Payload", Datasheet Link=https://www.mouser.de/datasheet/2/905/c_NX2012SA-STD-MUB-1_e-1317508.pdf, Height=0.6mm, Mouser Price/Stock=https://www.mouser.co.uk/ProductDetail/NDK/NX2012SA-32.768K-STD-MUB-1?qs=55YtniHzbhA%252B6%2Fl1MwFZaQ%3D%3D
P1: BOM_Group="Power Connectors"
U5: BOM_Group="MCU & Payload"

## Via types
v1: diameter 0.6, hole 0.3, Top Layer to Bottom Layer, tented both sides, 572 vias
v2: diameter 3, hole 2, Top Layer to Bottom Layer, 10 vias

## Nets (pads, with @x,y where several pads share a name; then routed paths per layer and width w, separated by ;. In a path a pad name is that pad's centre, name@x,y a point inside that pad or via, vN(x,y) a via of type N, cw(c..) or ccw(c..) an arc to the next point about the centre after c; other vN are vias at no path point)
3.3V: C7.2 C12.2 C13.2 C15.2 C16.2 C17.2 C18.2 C19.2 C20.2 C26.1 FB1.1 H1.1 H2.1 H3.1 H4.1 H5.1 H6.1 H7.1 H8.1 H9.1 H10.1 H11.1 H12.1 H13.1 H14.1 H15.1 H16.1 H17.1 H18.1 H19.1 H20.1 H21.1 H22.1 J1.03 J2.01 L2.2 R3.2 R4.2 R16.2 U3.8 U4.1 U5.1 U5.30 U5.33 U5.44 U5.45 U5.55 U5.68 | length 752.9
  Top Layer w0.2: v1(42.7,-21.95) 42.75,-22 44.5,-22 ; 44.55,0.77 44.5,0.72 44.5,-14.3 ; R16.2@46.238,-23.75 44.5,-23.75 ; U4.1@47.85,-29.976 47.85,-28.55 v1(47.9,-28.5) ; 47.875,-29.297 49.109,-29.297 C26.1@49.2,-29.388 ; FB1.1@48.5,-26.41 48.5,-27.1 44.617,-27.1 44.5,-26.983 44.5,-23.75 ; U5.1@50.6,-18.3 50.5,-18.3 v1(50.5,-15.8) ; U3.8@51.25,5.815 51.25,5.15 51.4,5 51.75,5 ; U5.68@51.3,-17.6 51.3,-15.917 51.183,-15.8 v1(50.5,-15.8) ; L2.2@52.11,3.75 51.75,4.11 51.75,5 ; C7.2@52.5,5.988 52.5,5.088 52.412,5 51.75,5 ; v1(54.3,-46.75) 58.864,-48.696 ; v1(55.75,-27.25) ccw(c55.75,-26.9) 56.1,-26.9 U5.30@56.1,-25.4 ; U5.55@56.5,-17.6 56.5,-16.075 v1(57.175,-15.4) 57.555,-15.02 66.3,-15.02 ; v1(57.1,-27.2) 57.1,-26.225 cw(c57.3,-26.225) 57.18,-26.065 ccw(c57,-25.825) 57.3,-25.825 U5.33@57.3,-25.4 ; U5.44@58.4,-21.1 59.1,-21.1 ; U5.45@58.4,-20.7 59.125,-20.7 59.125,-21.075 59.1,-21.1 ; v1(58.45,-50.15) 58.969,-48.96 ccw(c58.786,-48.88) 58.865,-48.696 ; v1(61.175,-51.3) 61.715,-50.198 ; v1(61.5,-20.012) 60.412,-21.1 59.1,-21.1 ; 61.715,-50.198 cw(c61.895,-50.286) 61.975,-50.102 ; 61.976,-50.103 v1(63.325,-50.7) ; 44.5,-23.75 44.5,-22 ; 44.5,-22 44.5,-14.3 ; 44.5,-14.3 50.383,-14.3 50.5,-14.417 v1(50.5,-15.8)
  Top Layer w0.3: 44.55,0.77 51.976,0.77 ; L2.2@52.11,3.75 51.8,3.44 51.8,0.946 51.976,0.77 ; v1(60.1,1.7) 60.043,1.643 60.043,0.843 59.97,0.77 ; v1(61.5,-20.012) 66.124,-20.012 66.3,-19.836 66.3,-15.02 66.3,-11.039 ; J1.03@65.005,-11.215 66.124,-11.215 66.3,-11.039 ; 51.976,0.77 54.47,0.77 54.881,1.181 58.821,1.181 59.232,0.77 59.97,0.77 ; 59.97,0.77 J2.01@65,0.77 66.124,0.77 66.3,0.594 66.3,-11.039
  Bottom Layer w0.2: H22.1@-57.872,-25.963 -59.083,-25.963 -59.2,-25.846 -59.2,-24.175 ; H21.1@-57.872,-6.913 -59.083,-6.913 -59.2,-6.796 -59.2,-5.125 ; H20.1@-57.872,12.112 -59.083,12.112 -59.2,12.229 -59.2,13.9 ; H19.1@-38.822,-25.963 -40.154,-25.963 -40.4,-25.716 -40.4,-24.175 ; H18.1@-38.822,-6.913 -40.154,-6.913 -40.4,-6.666 -40.4,-5.125 ; H17.1@-38.822,12.112 -40.154,12.112 -40.4,12.358 -40.4,13.9 ; H16.1@-19.772,-21.188 -21.104,-21.188 -21.292,-20.999 -21.292,-19.283 -21.3,-19.275 ; H15.1@-19.772,-2.138 -21.104,-2.138 -21.292,-1.949 -21.292,-0.233 -21.3,-0.225 ; H14.1@-19.772,16.887 -21.104,16.887 -21.292,17.075 -21.292,18.792 -21.3,18.8 ; H13.1@-0.7,-18.825 -2.033,-18.825 -2.2,-18.657 -2.2,-17.075 ; H12.1@-0.7,0.225 -2.033,0.225 -2.2,0.393 -2.2,1.975 ; H11.1@-0.7,19.25 -2.033,19.25 -2.2,19.417 -2.2,21 ; H7.1@8.825,-42.625 8.225,-42.625 7.717,-42.117 7.717,-39.6 ; H10.1@18.328,-21.188 16.996,-21.188 15.271,-19.463 ; H9.1@18.328,-2.138 16.996,-2.138 15.271,-0.413 ; H8.1@18.328,16.887 16.996,16.887 15.271,18.612 ; H6.1@28.721,-44.57 28.623,-44.553 28.063,-44.434 cw(c28.1,-44.237) 27.9,-44.237 27.9,-42.825 ; H3.1@37.378,-23.575 35.501,-23.575 33.875,-21.95 ; H2.1@37.378,-4.525 35.501,-4.525 31.388,-0.413 15.271,-0.413 ; H1.1@37.378,14.499 35.501,14.499 31.388,18.612 15.271,18.612 ; 41.416,-46.779 27.9,-42.825 ; 41.417,-46.779 ccw(c41.472,-46.587) 41.651,-46.677 43.865,-42.342 cw(c44.043,-42.433) 44.122,-42.249 51.606,-45.477 51.619,-45.483 ; v1(42.7,-21.95) 33.875,-21.95 ; v1(47.3,-27) 47.9,-27.6 v1(47.9,-28.5) ; C12.2@50.5,-16.788 v1(50.5,-15.8) 51.5,-15.8 C15.2@51.5,-16.788 ; H5.1@51.462,-46.487 51.396,-46.447 51.71,-45.742 ccw(c51.527,-45.661) 51.619,-45.483 ; v1(54.3,-46.75) 51.619,-45.483 ; C17.2@55.75,-26.25 v1(55.75,-27.25) cw(c55.8,-27.25) 55.8,-27.2 v1(57.1,-27.2) 61.8,-27.2 62.125,-26.875 62.125,-20.012 ; C13.2@56.5,-16.738 56.5,-16.075 v1(57.175,-15.4) ; v1(57.5,14.05) v1(57.5,12.05) 57.5,9.565 60.1,6.965 v1(60.1,1.7) ; v1(58.45,-50.15) v1(61.175,-51.3) ; C18.2@61.5,-21.7 C18.2@61.5,-21.688 v1(61.5,-20.012) 62.125,-20.012 ; C16.2@62.75,-21.688 C19.2@62.75,-20.012 62.125,-20.012 ; v1(63.325,-50.7) 66.405,-52.18 cw(c66.318,-52.361) 66.513,-52.406 ; 66.489,-53.171 cw(c66.581,-52.993) 66.386,-52.947 66.513,-52.406 ; 66.49,-53.171 68.575,-54.237 H4.1@68.662,-54.287 ; -64,-24.292 -64,-28.358 -63.883,-28.475 2.575,-28.475 3,-28.9 3,-39.175 3.425,-39.6 7.717,-39.6 ; -64,-24.292 -64,-5.242 ; -64,-24.292 -63.883,-24.175 -59.2,-24.175 ; -64,-5.242 -64,13.783 -63.883,13.9 -59.2,13.9 ; -64,-5.242 -63.883,-5.125 -59.2,-5.125 ; -59.2,-24.175 -40.4,-24.175 ; -59.2,-5.125 -40.4,-5.125 ; -59.2,13.9 -40.4,13.9 ; -40.4,-24.175 -30.6,-24.175 -25.7,-19.275 -21.3,-19.275 ; -40.4,-5.125 -30.6,-5.125 -25.7,-0.225 -21.3,-0.225 ; -40.4,13.9 -30.6,13.9 -25.7,18.8 -21.3,18.8 ; -21.3,-19.275 -9.8,-19.275 -7.6,-17.075 -2.2,-17.075 ; -21.3,-0.225 -9.8,-0.225 -7.6,1.975 -2.2,1.975 ; -21.3,18.8 -9.8,18.8 -7.6,21 -2.2,21 ; -2.2,-17.075 12.883,-17.075 15.271,-19.463 ; -2.2,1.975 12.883,1.975 15.271,-0.413 ; -2.2,21 12.883,21 15.271,18.612 ; 7.717,-39.6 7.883,-39.6 27.8,-39.6 27.9,-39.7 27.9,-42.825 ; 15.271,-19.463 31.388,-19.463 33.875,-21.95
5V: C6.1 C8.2 C25.2 R9.1 R12.1 SW1.3 SW2.3 SW3.3 SW4.3 SW5.3 SW6.3 SW7.3 SW8.3 SW9.3 SW10.3 SW11.3 SW12.3 SW13.3 SW14.3 SW15.3 SW16.3 SW17.3 SW18.3 SW19.3 SW20.3 SW21.3 SW22.3 U1.1 U3.2 U3.4 U4.5 U4.6 | length 518.1
  Top Layer w0.15: U4.5@47.2,-32.224 47.2,-33.312 47.288,-33.4 47.888,-33.4 ; U4.6@47.85,-32.224 47.8,-32.274 47.8,-33.312 47.888,-33.4 ; 48.75,8.25 R12.1@48.75,9.238 ; C25.2@49.2,-32.812 49.2,-33.5 ; 49.241,8.25 49.746,7.745 49.746,7.189 U3.4@49.75,7.185 ; v1(49.3,-35.6) 49.214,-35.514 49.214,-35.301 49.2,-35.287 49.2,-33.5 ; U3.2@50.75,7.185 50.75,7.87 51.13,8.25 ; 51.5,8.25 C8.2@51.5,9.238 ; 56.475,5.125 56.5,5.15 R9.1@56.5,5.988 ; C6.1@58,5.988 58,5.175 58.025,5.15 ; 59.2,4.975 59.25,5.025 U1.1@59.25,5.765 ; 47.888,-33.4 49.1,-33.4 49.2,-33.5
  Top Layer w0.5: SW22.3@-59.65,-20.013 -59.65,-19.469 -59.043,-18.863 -27.338,-18.863 -26.55,-18.075 -26.55,-13.868 -26.257,-13.575 -21.843,-13.575 ; SW21.3@-59.65,-0.963 -59.65,-0.419 -59.043,0.187 -27.338,0.187 -26.55,0.975 -26.55,5.182 -26.257,5.475 -21.843,5.475 ; SW20.3@-59.65,18.062 -59.65,18.605 -59.043,19.212 -27.338,19.212 -26.55,20 -26.55,24.207 -26.257,24.5 -21.843,24.5 ; -40.65,-19 -40.65,-19.963 SW17.3@-40.6,-20.013 ; -40.65,0.05 -40.65,-0.913 SW18.3@-40.6,-0.963 ; -40.65,19.075 -40.65,18.112 SW19.3@-40.6,18.062 ; SW16.3@-21.55,-15.188 -21.55,-13.868 -21.843,-13.575 ; SW15.3@-21.55,3.862 -21.55,5.182 -21.843,5.475 ; SW14.3@-21.55,22.887 -21.55,24.207 -21.843,24.5 ; SW11.3@-2.5,-12.85 -2.5,-12.753 -2.55,-12.703 -2.55,-11.368 -2.843,-11.075 ; SW12.3@-2.5,6.2 -2.5,6.297 -2.55,6.347 -2.55,7.682 -2.843,7.975 ; SW13.3@-2.5,25.212 -2.5,25.322 -2.55,25.372 -2.55,26.707 -2.843,27 ; SW10.3@7.025,-36.675 7.025,-36.515 7.025,-34.784 cw(c7.525,-34.784) 7.534,-34.284 20.543,-34.524 ; SW6.3@16.55,-15.238 16.45,-15.138 16.45,-13.868 16.157,-13.575 ; SW5.3@16.55,3.812 16.45,3.912 16.45,5.182 16.157,5.475 ; SW4.3@16.55,22.837 16.45,22.937 16.45,24.207 16.157,24.5 ; 20.544,-34.524 cw(c20.534,-35.024) 20.656,-34.539 26.004,-35.884 ; SW9.3@28.198,-38.376 28.198,-38.357 28.202,-38.213 28.46,-36.999 ccw(c27.971,-36.895) 28.094,-36.41 ; SW1.3@35.6,-17.625 26.293,-17.625 26,-17.333 ; SW2.3@35.6,1.425 32.725,1.425 ; SW3.3@35.6,20.449 26.293,20.449 26,20.742 ; 59.2,4.975 54.068,4.975 53.775,5.268 53.775,7.525 53.05,8.25 51.5,8.25 51.13,8.25 50.775,8.605 50.775,8.607 50.482,8.9 49.891,8.9 49.241,8.25 48.75,8.25 33.043,8.25 32.75,7.957 32.75,1.45 32.725,1.425 ; 67.158,-47.129 cw(c67.363,-46.673) 66.907,-46.466 67.324,-45.543 67.368,-45.445 67.368,-45.337 67.368,-45.13 67.222,-44.984 67.151,-44.913 67.059,-44.875 53.192,-39.168 52.886,-39.168 52.674,-39.38 52.318,-40.18 52.238,-40.319 52.154,-40.267 51.852,-40.081 v1(48.838,-38.739) 48.116,-38.417 48.045,-38.386 35.935,-38.052 28.094,-36.41 ; 67.159,-47.129 69.018,-47.957 69.345,-48.083 SW7.3@69.438,-48.119 ; -21.843,-13.575 -8.05,-13.575 -5.55,-11.075 -2.843,-11.075 ; -21.843,5.475 -8.05,5.475 -5.55,7.975 -2.843,7.975 ; -21.843,24.5 -8.05,24.5 -5.55,27 -2.843,27 ; -2.843,-11.075 6.657,-11.075 6.95,-11.368 6.95,-13.282 7.243,-13.575 16.157,-13.575 ; -2.843,7.975 6.657,7.975 6.95,7.682 6.95,5.768 7.243,5.475 16.157,5.475 ; -2.843,27 6.657,27 6.95,26.707 6.95,24.793 7.243,24.5 16.157,24.5 ; 16.157,-13.575 25.5,-13.575 26,-14.075 ; 16.157,5.475 25.5,5.475 26,4.975 ; 16.157,24.5 25.5,24.5 26,24 26,20.742 ; 26,-17.333 26,-14.075 ; 26,-17.333 26,-35.881 26.004,-35.884 ; 26,-14.075 26,1.717 ; 26,1.717 26,4.975 ; 26,1.717 26.293,1.425 32.725,1.425 ; 26,4.975 26,20.742 ; 26.004,-35.884 28.093,-36.41 28.094,-36.41
  Bottom Layer w0.15: v1(48.838,-38.739) 48.838,-36.062 v1(49.3,-35.6)
5V_USB: C1.2 IC1.5 J.A4 J.A9 J.B4 J.B9 P1.1 U2.A2 | length 48.2
  Top Layer w0.15: U2.A2@60.4,13.7 60.4,14.3
  Top Layer w0.2: 50.475,16.225 50.5,16.2 IC1.5@50.5,14.75 ; J.A9@50.75,18.4 50.75,16.333 50.858,16.225 ; 51.25,16.225 J.B4@51.25,18.4 ; 55.75,16.333 J.B9@55.75,18.4 ; 56.25,16.225 J.A4@56.25,18.4 ; 60.5,14.3 C1.2@61.8,14.3
  Top Layer w0.5: P1.1@36.75,23.717 36.75,25.157 37.043,25.45 44.807,25.45 45.1,25.157 45.1,16.518 45.393,16.225 50.475,16.225 50.858,16.225 51.241,16.225 51.641,15.825 54.9,15.825 55.325,16.25 60.107,16.25 60.4,15.957 60.4,14.3
ANT: C23.1 L5.2 | length 4.6
  Top Layer w0.2: C23.1@72,-38.5 72,-39.004 ccw(c72.246,-39.004) 72.246,-39.25 73.322,-39.25 cw(c73.322,-39.396) 73.468,-39.396 73.468,-39.854
  Top Layer w0.3: 73.322,-40 L5.2@72.8,-40 74.25,-40
ARGB: U4.3 U5.15 | length 9.3
  Top Layer w0.15: U4.3@46.55,-29.976 46.55,-27.888 46.638,-27.8 48.437,-27.8 49.5,-26.737 49.5,-24.1 49.7,-23.9 U5.15@50.6,-23.9
ARGB_SHIFTED: SW1.2 U4.4 | length 20.6
  Top Layer w0.15: SW1.2@40.9,-17.625 41.912,-17.625 42,-17.713 42,-30.4 44.9,-33.3 46.4,-33.3 46.55,-33.15 U4.4@46.55,-32.224
BAT_INT: R5.2 U5.47 | length 45.3
  Top Layer w0.15: v1(52.5,12.25) 52.5,13.5 53.05,14.05 R5.2@54.738,14.05 ; v1(58,-4) 60.8,-4 61.5,-4.7 v1(62.7,-4.7) ; U5.47@58.4,-19.9 60.295,-19.9 62.3,-17.895 v1(62.3,-17)
  Bottom Layer w0.15: v1(52.5,12.25) 52.5,9.51 53.65,8.36 53.65,5.2 55.35,3.5 55.35,1.175 58,-1.475 v1(58,-4) ; v1(62.3,-17) 62.3,-8.7 62.7,-8.3 v1(62.7,-4.7)
BAT_MR: R6.1 U2.D1 U5.46 | length 45.7
  Top Layer w0.15: v1(55.696,5.996) 55.775,6.075 55.775,11.312 55.863,11.4 56.788,11.4 ; R6.1@55.762,12.05 56.612,12.05 56.7,11.962 56.7,11.488 56.788,11.4 ; v1(57.9,0.531) 57.9,0.517 58.436,-0.018 v1(59.832,-0.018) ; U5.46@58.4,-20.3 60.39,-20.3 62.9,-17.79 v1(62.9,-16.2) ; U2.D1@60,12.5 59.588,12.5 59.5,12.412 59.5,11.7 59.2,11.4 56.788,11.4
  Bottom Layer w0.15: v1(55.696,5.996) 56.5,5.192 56.5,1.931 v1(57.9,0.531) ; v1(59.832,-0.018) 61.596,-1.783 61.596,-1.946 63.275,-3.625 63.275,-8.395 62.65,-9.02 62.65,-15.828 62.9,-16.078 v1(62.9,-16.2)
BOOT: J2.02 R17.2 U5.5 | length 43.6
  Top Layer w0.2: R17.2@47.262,-20.75 47.737,-20.75 ccw(c47.736,-20.55) 47.917,-20.636 ccw(c47.543,-20.46) 47.956,-20.46 cw(c48.516,-20.46) 48.516,-19.9 ; v1(48.7,-9.8) 48.7,-3.567 48.817,-3.45 57.525,-3.45 59.205,-1.77 J2.02@65,-1.77 ; v1(48.759,-14.95) 45.517,-14.95 45.4,-15.067 45.4,-19.783 45.517,-19.9 48.516,-19.9 ; U5.5@50.6,-19.9 48.516,-19.9
  Bottom Layer w0.2: v1(48.7,-9.8) 48.729,-9.829 48.729,-14.921 v1(48.759,-14.95)
CC1: J.A5 R1.1 | length 1.3
  Top Layer w0.2: v1@55,17.238 55,17.346 55.25,17.596 J.A5@55.25,18.4
  other v1: 55.1,17.288
CC2: J.B5 R2.1 | length 1.3
  Top Layer w0.2: v1@52,17.25 52,17.449 52.25,17.699 J.B5@52.25,18.4
  other v1: 51.9,17.3